# Altium PCB PCB2.PcbDoc (part 2 of 3) (continued)
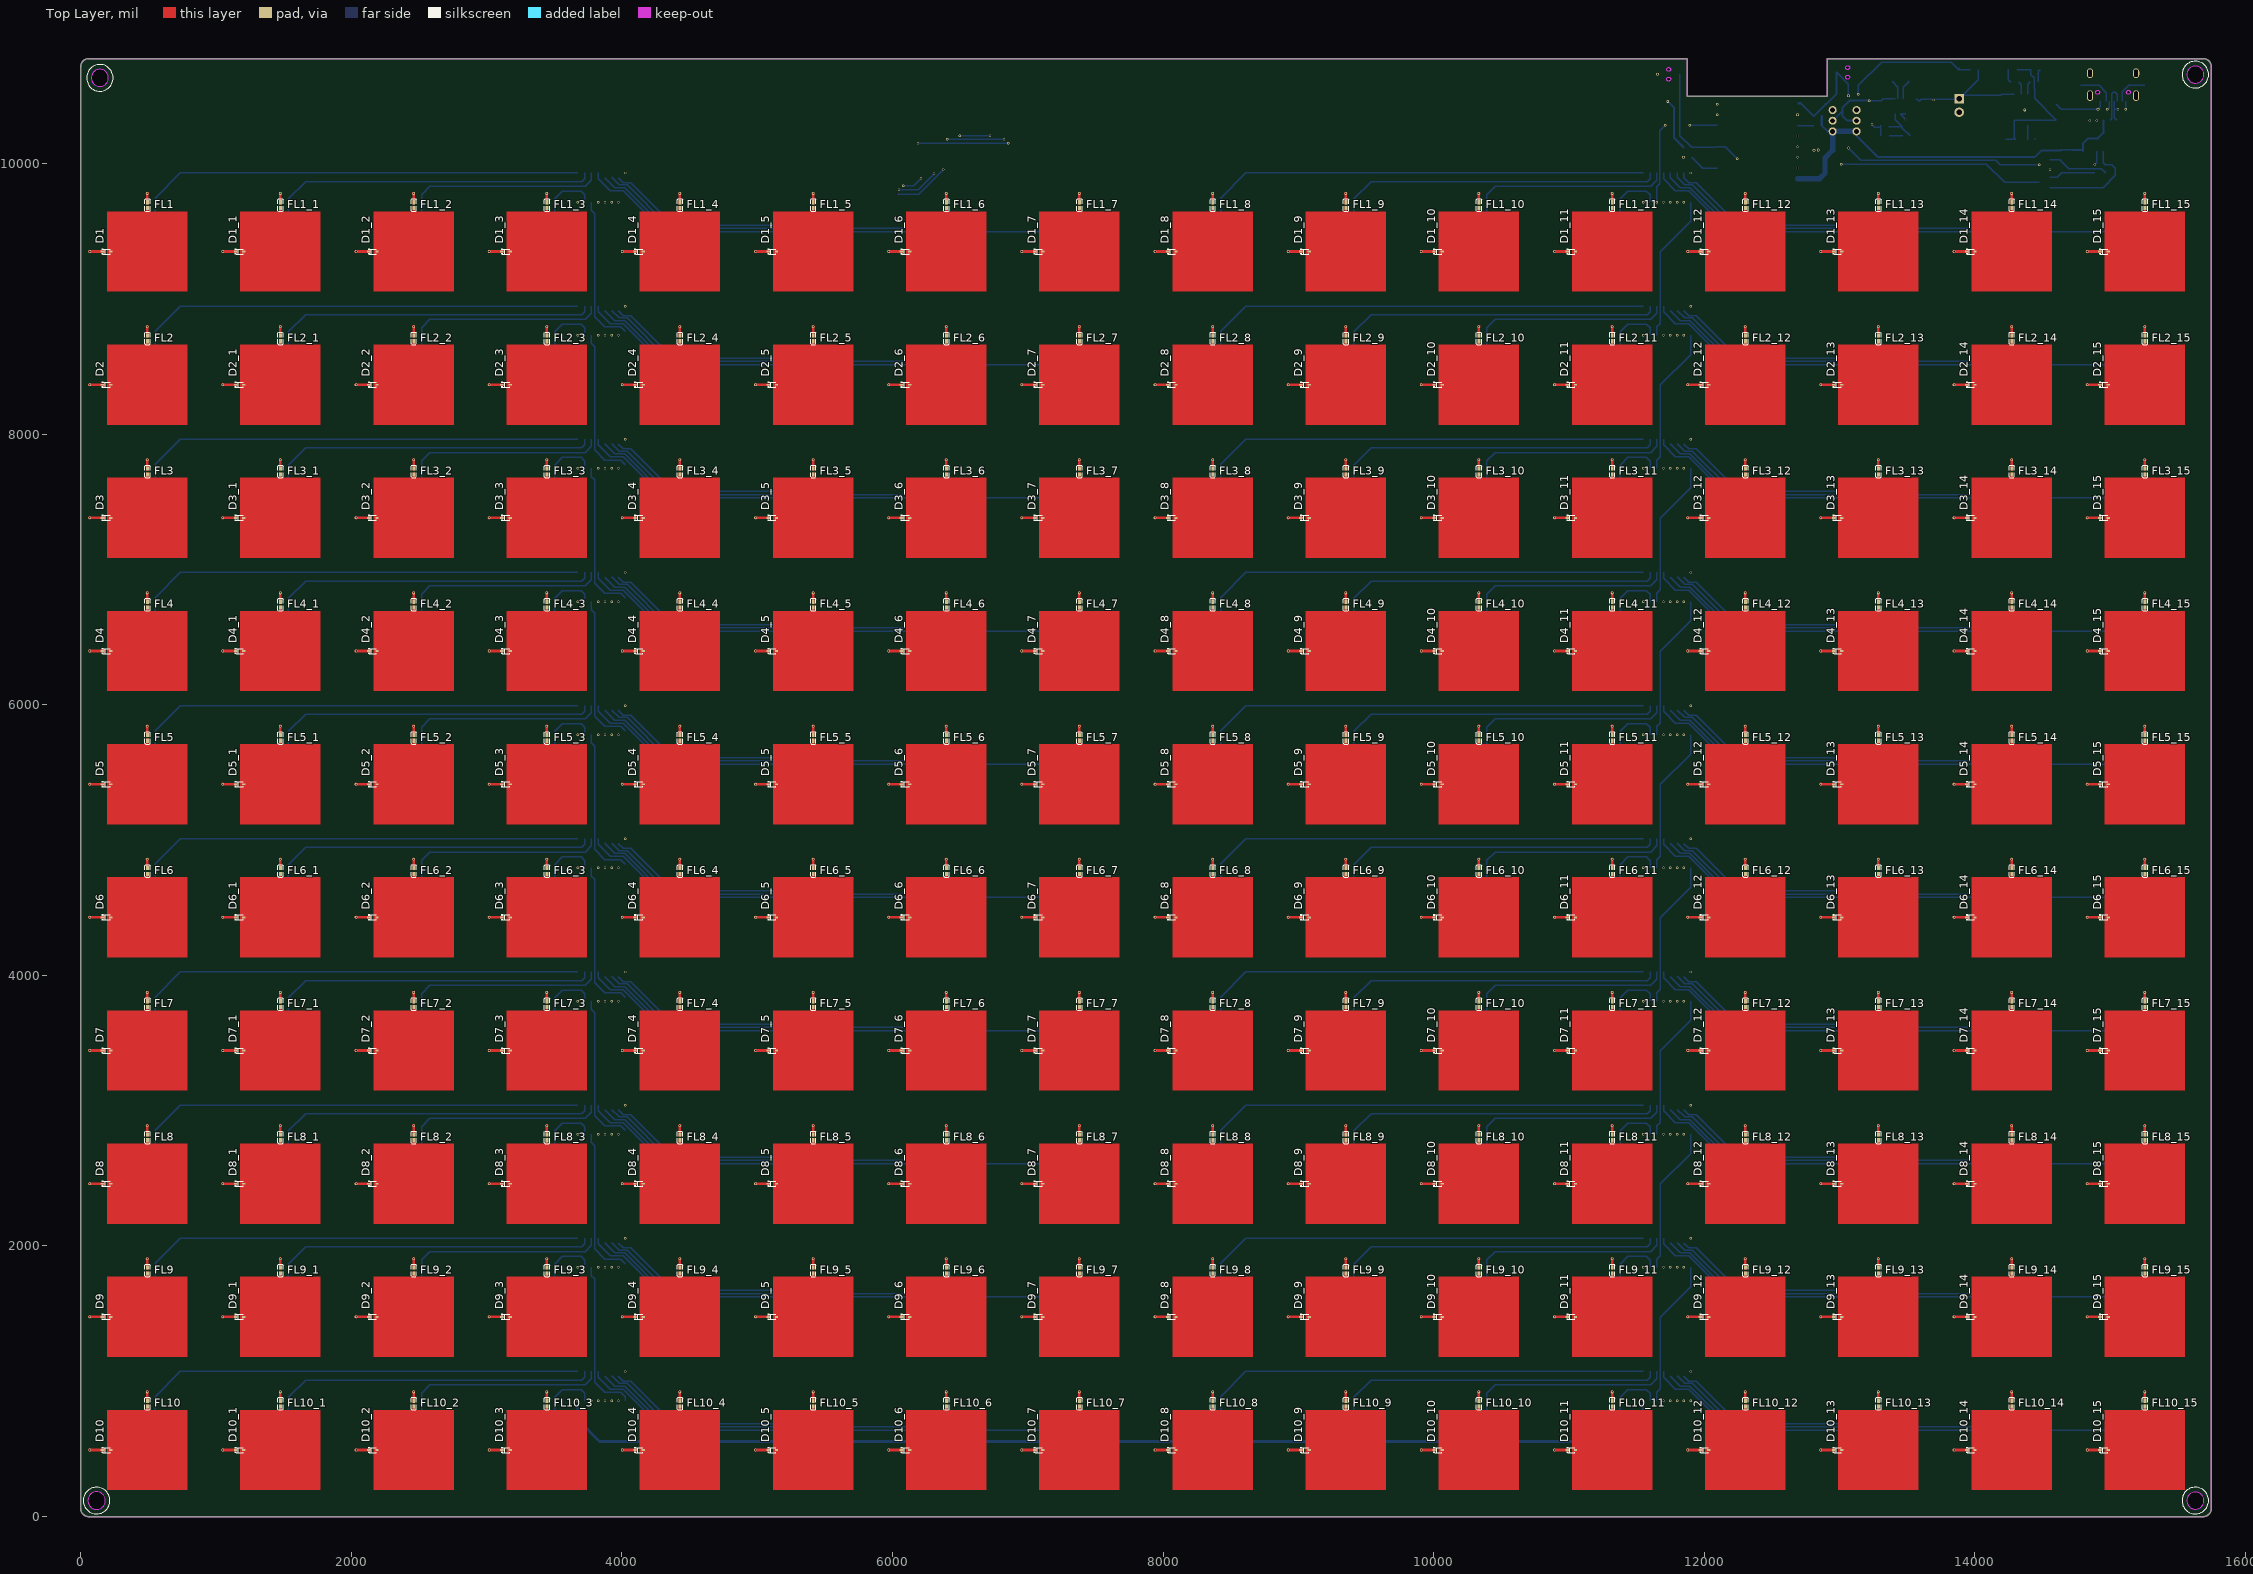
[diagram p0: Top Layer view]
## Nets (pads, with @x,y where several pads share a name; then routed paths per layer and width w, separated by ;. In a path a pad name is that pad's centre, name@x,y a point inside that pad or via, vN(x,y) a via of type N, cw(c..) or ccw(c..) an arc to the next point about the centre after c; other vN are vias at no path point) (continued)
NewNet41: FL2_13.1 L2_13.2 | length 64.2
  Bottom Layer w10: L2_13.2@13287.24,8729.92 v1(13287.24,8794.12)
NewNet42: BR_3_1.1 L2_13.1 | length 70.3
  Bottom Layer w10: BR_3_1.1@13288.16,8615.75 L2_13.1@13288.12,8686.13
NewNet43: FL3_13.1 L3_13.2 | length 64.2
  Bottom Layer w10: L3_13.2@13287.24,7745.67 v1(13287.24,7809.87)
NewNet44: BR_3_2.1 L3_13.1 | length 70.3
  Bottom Layer w10: BR_3_2.1@13288.16,7631.5 L3_13.1@13288.16,7701.84
NewNet45: FL4_13.1 L4_13.2 | length 64.2
  Bottom Layer w10: L4_13.2@13287.24,6761.42 v1(13287.24,6825.61)
NewNet46: BR_3_3.1 L4_13.1 | length 70.3
  Bottom Layer w10: BR_3_3.1@13288.16,6647.24 L4_13.1@13288.12,6717.63
NewNet47: FL5_13.1 L5_13.2 | length 64.2
  Bottom Layer w10: L5_13.2@13287.24,5777.17 v1(13287.24,5841.36)
NewNet48: BR_3_4.1 L5_13.1 | length 70.3
  Bottom Layer w10: BR_3_4.1@13288.16,5662.99 L5_13.1@13288.16,5733.34
NewNet49: FL6_13.1 L6_13.2 | length 64.2
  Bottom Layer w10: L6_13.2@13287.24,4792.92 v1(13287.24,4857.11)
NewNet50: BR_3_5.1 L6_13.1 | length 70.3
  Bottom Layer w10: BR_3_5.1@13288.16,4678.74 L6_13.1@13288.12,4749.12
NewNet51: FL7_13.1 L7_13.2 | length 64.2
  Bottom Layer w10: L7_13.2@13287.24,3808.66 v1(13287.24,3872.86)
NewNet52: BR_3_6.1 L7_13.1 | length 70.3
  Bottom Layer w10: BR_3_6.1@13288.16,3694.49 L7_13.1@13288.16,3764.83
NewNet53: FL8_13.1 L8_13.2 | length 64.2
  Bottom Layer w10: L8_13.2@13287.24,2824.41 v1(13287.24,2888.61)
NewNet54: BR_3_7.1 L8_13.1 | length 70.3
  Bottom Layer w10: BR_3_7.1@13288.16,2710.24 L8_13.1@13288.12,2780.62
NewNet55: FL9_13.1 L9_13.2 | length 64.2
  Bottom Layer w10: L9_13.2@13287.24,1840.16 v1(13287.24,1904.35)
NewNet56: BR_3_8.1 L9_13.1 | length 70.3
  Bottom Layer w10: BR_3_8.1@13288.16,1725.98 L9_13.1@13288.16,1796.33
NewNet57: FL10_13.1 L10_13.2 | length 64.2
  Bottom Layer w10: L10_13.2@13287.24,855.91 v1(13287.24,920.1)
NewNet58: BR_3_9.1 L10_13.1 | length 70.3
  Bottom Layer w10: BR_3_9.1@13288.16,741.73 L10_13.1@13288.12,812.12
NewNet59: FL1_13.1 L1_13.2 | length 64.2
  Bottom Layer w10: L1_13.2@13287.24,9714.18 v1(13287.24,9778.37)
NewNet60: BR_3.1 L1_13.1 | length 70.3
  Bottom Layer w10: BR_3.1@13288.16,9600 L1_13.1@13288.16,9670.35
NewNet61: FL2_12.1 L2_12.2 | length 64.2
  Bottom Layer w10: L2_12.2@12302.99,8729.92 v1(12302.99,8794.12)
NewNet62: BR_4_1.1 L2_12.1 | length 70.3
  Bottom Layer w10: BR_4_1.1@12303.9,8615.75 L2_12.1@12303.87,8686.13
NewNet63: FL3_12.1 L3_12.2 | length 64.2
  Bottom Layer w10: L3_12.2@12302.99,7745.67 v1(12302.99,7809.87)
NewNet64: BR_4_2.1 L3_12.1 | length 70.3
  Bottom Layer w10: BR_4_2.1@12303.9,7631.5 L3_12.1@12303.9,7701.84
NewNet65: FL4_12.1 L4_12.2 | length 64.2
  Bottom Layer w10: L4_12.2@12302.99,6761.42 v1(12302.99,6825.61)
NewNet66: BR_4_3.1 L4_12.1 | length 70.3
  Bottom Layer w10: BR_4_3.1@12303.9,6647.24 L4_12.1@12303.87,6717.63
NewNet67: FL5_12.1 L5_12.2 | length 64.2
  Bottom Layer w10: L5_12.2@12302.99,5777.17 v1(12302.99,5841.36)
NewNet68: BR_4_4.1 L5_12.1 | length 70.3
  Bottom Layer w10: BR_4_4.1@12303.9,5662.99 L5_12.1@12303.9,5733.34
NewNet69: FL6_12.1 L6_12.2 | length 64.2
  Bottom Layer w10: L6_12.2@12302.99,4792.92 v1(12302.99,4857.11)
NewNet70: BR_4_5.1 L6_12.1 | length 70.3
  Bottom Layer w10: BR_4_5.1@12303.9,4678.74 L6_12.1@12303.87,4749.12
NewNet71: FL7_12.1 L7_12.2 | length 64.2
  Bottom Layer w10: L7_12.2@12302.99,3808.66 v1(12302.99,3872.86)
NewNet72: BR_4_6.1 L7_12.1 | length 70.3
  Bottom Layer w10: BR_4_6.1@12303.9,3694.49 L7_12.1@12303.9,3764.83
NewNet73: FL8_12.1 L8_12.2 | length 64.2
  Bottom Layer w10: L8_12.2@12302.99,2824.41 v1(12302.99,2888.61)
NewNet74: BR_4_7.1 L8_12.1 | length 70.3
  Bottom Layer w10: BR_4_7.1@12303.9,2710.24 L8_12.1@12303.87,2780.62
NewNet75: FL9_12.1 L9_12.2 | length 64.2
  Bottom Layer w10: L9_12.2@12302.99,1840.16 v1(12302.99,1904.35)
NewNet76: BR_4_8.1 L9_12.1 | length 70.3
  Bottom Layer w10: BR_4_8.1@12303.9,1725.98 L9_12.1@12303.9,1796.33
NewNet77: FL10_12.1 L10_12.2 | length 64.2
  Bottom Layer w10: L10_12.2@12302.99,855.91 v1(12302.99,920.1)
NewNet78: BR_4_9.1 L10_12.1 | length 70.3
  Bottom Layer w10: BR_4_9.1@12303.9,741.73 L10_12.1@12303.87,812.12
NewNet79: FL1_12.1 L1_12.2 | length 64.2
  Bottom Layer w10: L1_12.2@12302.99,9714.18 v1(12302.99,9778.37)
NewNet80: BR_4.1 L1_12.1 | length 70.3
  Bottom Layer w10: BR_4.1@12303.9,9600 L1_12.1@12303.9,9670.35
NewNet81: FL2_11.1 L2_11.2 | length 64.2
  Bottom Layer w10: L2_11.2@11318.74,8729.92 v1(11318.74,8794.12)
NewNet82: BR_5_1.1 L2_11.1 | length 70.3
  Bottom Layer w10: BR_5_1.1@11319.65,8615.75 L2_11.1@11319.61,8686.13
NewNet83: FL3_11.1 L3_11.2 | length 64.2
  Bottom Layer w10: L3_11.2@11318.74,7745.67 v1(11318.74,7809.87)
NewNet84: BR_5_2.1 L3_11.1 | length 70.3
  Bottom Layer w10: BR_5_2.1@11319.65,7631.5 L3_11.1@11319.65,7701.84
NewNet85: FL4_11.1 L4_11.2 | length 64.2
  Bottom Layer w10: L4_11.2@11318.74,6761.42 v1(11318.74,6825.61)
NewNet86: BR_5_3.1 L4_11.1 | length 70.3
  Bottom Layer w10: BR_5_3.1@11319.65,6647.24 L4_11.1@11319.61,6717.63
NewNet87: FL5_11.1 L5_11.2 | length 64.2
  Bottom Layer w10: L5_11.2@11318.74,5777.17 v1(11318.74,5841.36)
NewNet88: BR_5_4.1 L5_11.1 | length 70.3
  Bottom Layer w10: BR_5_4.1@11319.65,5662.99 L5_11.1@11319.65,5733.34
NewNet89: FL6_11.1 L6_11.2 | length 64.2
  Bottom Layer w10: L6_11.2@11318.74,4792.92 v1(11318.74,4857.11)
NewNet90: BR_5_5.1 L6_11.1 | length 70.3
  Bottom Layer w10: BR_5_5.1@11319.65,4678.74 L6_11.1@11319.61,4749.12
NewNet91: FL7_11.1 L7_11.2 | length 64.2
  Bottom Layer w10: L7_11.2@11318.74,3808.66 v1(11318.74,3872.86)
NewNet92: BR_5_6.1 L7_11.1 | length 70.3
  Bottom Layer w10: BR_5_6.1@11319.65,3694.49 L7_11.1@11319.65,3764.83
NewNet93: FL8_11.1 L8_11.2 | length 64.2
  Bottom Layer w10: L8_11.2@11318.74,2824.41 v1(11318.74,2888.61)
NewNet94: BR_5_7.1 L8_11.1 | length 70.3
  Bottom Layer w10: BR_5_7.1@11319.65,2710.24 L8_11.1@11319.61,2780.62
NewNet95: FL9_11.1 L9_11.2 | length 64.2
  Bottom Layer w10: L9_11.2@11318.74,1840.16 v1(11318.74,1904.35)
NewNet96: BR_5_8.1 L9_11.1 | length 70.3
  Bottom Layer w10: BR_5_8.1@11319.65,1725.98 L9_11.1@11319.65,1796.33
NewNet97: FL10_11.1 L10_11.2 | length 64.2
  Bottom Layer w10: L10_11.2@11318.74,855.91 v1(11318.74,920.1)
NewNet98: BR_5_9.1 L10_11.1 | length 70.3
  Bottom Layer w10: BR_5_9.1@11319.65,741.73 L10_11.1@11319.61,812.12
NewNet99: FL1_11.1 L1_11.2 | length 64.2
  Bottom Layer w10: L1_11.2@11318.74,9714.18 v1(11318.74,9778.37)
NewNet100: BR_5.1 L1_11.1 | length 70.3
  Bottom Layer w10: BR_5.1@11319.65,9600 L1_11.1@11319.65,9670.35
NewNet101: FL2_10.1 L2_10.2 | length 64.2
  Bottom Layer w10: L2_10.2@10334.49,8729.92 v1(10334.49,8794.12)
NewNet102: BR_6_1.1 L2_10.1 | length 70.3
  Bottom Layer w10: BR_6_1.1@10335.4,8615.75 L2_10.1@10335.36,8686.13
NewNet103: FL3_10.1 L3_10.2 | length 64.2
  Bottom Layer w10: L3_10.2@10334.49,7745.67 v1(10334.49,7809.87)
NewNet104: BR_6_2.1 L3_10.1 | length 70.3
  Bottom Layer w10: BR_6_2.1@10335.4,7631.5 L3_10.1@10335.4,7701.84
NewNet105: FL4_10.1 L4_10.2 | length 64.2
  Bottom Layer w10: L4_10.2@10334.49,6761.42 v1(10334.49,6825.61)
NewNet106: BR_6_3.1 L4_10.1 | length 70.3
  Bottom Layer w10: BR_6_3.1@10335.4,6647.24 L4_10.1@10335.36,6717.63
NewNet107: FL5_10.1 L5_10.2 | length 64.2
  Bottom Layer w10: L5_10.2@10334.49,5777.17 v1(10334.49,5841.36)
NewNet108: BR_6_4.1 L5_10.1 | length 70.3
  Bottom Layer w10: BR_6_4.1@10335.4,5662.99 L5_10.1@10335.4,5733.34
NewNet109: FL6_10.1 L6_10.2 | length 64.2
  Bottom Layer w10: L6_10.2@10334.49,4792.92 v1(10334.49,4857.11)
NewNet110: BR_6_5.1 L6_10.1 | length 70.3
  Bottom Layer w10: BR_6_5.1@10335.4,4678.74 L6_10.1@10335.36,4749.12
NewNet111: FL7_10.1 L7_10.2 | length 64.2
  Bottom Layer w10: L7_10.2@10334.49,3808.66 v1(10334.49,3872.86)
NewNet112: BR_6_6.1 L7_10.1 | length 70.3
  Bottom Layer w10: BR_6_6.1@10335.4,3694.49 L7_10.1@10335.4,3764.83
NewNet113: FL8_10.1 L8_10.2 | length 64.2
  Bottom Layer w10: L8_10.2@10334.49,2824.41 v1(10334.49,2888.61)
NewNet114: BR_6_7.1 L8_10.1 | length 70.3
  Bottom Layer w10: BR_6_7.1@10335.4,2710.24 L8_10.1@10335.36,2780.62
NewNet115: FL9_10.1 L9_10.2 | length 64.2
  Bottom Layer w10: L9_10.2@10334.49,1840.16 v1(10334.49,1904.35)
NewNet116: BR_6_8.1 L9_10.1 | length 70.3
  Bottom Layer w10: BR_6_8.1@10335.4,1725.98 L9_10.1@10335.4,1796.33
NewNet117: FL10_10.1 L10_10.2 | length 64.2
  Bottom Layer w10: L10_10.2@10334.49,855.91 v1(10334.49,920.1)
NewNet118: BR_6_9.1 L10_10.1 | length 70.3
  Bottom Layer w10: BR_6_9.1@10335.4,741.73 L10_10.1@10335.36,812.12
NewNet119: FL1_10.1 L1_10.2 | length 64.2
  Bottom Layer w10: L1_10.2@10334.49,9714.18 v1(10334.49,9778.37)
NewNet120: BR_6.1 L1_10.1 | length 70.3
  Bottom Layer w10: BR_6.1@10335.4,9600 L1_10.1@10335.4,9670.35
NewNet121: FL2_9.1 L2_9.2 | length 64.2
  Bottom Layer w10: L2_9.2@9350.24,8729.92 v1(9350.24,8794.12)
NewNet122: BR_7_1.1 L2_9.1 | length 70.3
  Bottom Layer w10: BR_7_1.1@9351.15,8615.75 L2_9.1@9351.11,8686.13
NewNet123: FL3_9.1 L3_9.2 | length 64.2
  Bottom Layer w10: L3_9.2@9350.24,7745.67 v1(9350.24,7809.87)
NewNet124: BR_7_2.1 L3_9.1 | length 70.3
  Bottom Layer w10: BR_7_2.1@9351.15,7631.5 L3_9.1@9351.15,7701.84
NewNet125: FL4_9.1 L4_9.2 | length 64.2
  Bottom Layer w10: L4_9.2@9350.24,6761.42 v1(9350.24,6825.61)
NewNet126: BR_7_3.1 L4_9.1 | length 70.3
  Bottom Layer w10: BR_7_3.1@9351.15,6647.24 L4_9.1@9351.11,6717.63
NewNet127: FL5_9.1 L5_9.2 | length 64.2
  Bottom Layer w10: L5_9.2@9350.24,5777.17 v1(9350.24,5841.36)
NewNet128: BR_7_4.1 L5_9.1 | length 70.3
  Bottom Layer w10: BR_7_4.1@9351.15,5662.99 L5_9.1@9351.15,5733.34
NewNet129: FL6_9.1 L6_9.2 | length 64.2
  Bottom Layer w10: L6_9.2@9350.24,4792.92 v1(9350.24,4857.11)
NewNet130: BR_7_5.1 L6_9.1 | length 70.3
  Bottom Layer w10: BR_7_5.1@9351.15,4678.74 L6_9.1@9351.11,4749.12
NewNet131: FL7_9.1 L7_9.2 | length 64.2
  Bottom Layer w10: L7_9.2@9350.24,3808.66 v1(9350.24,3872.86)
NewNet132: BR_7_6.1 L7_9.1 | length 70.3
  Bottom Layer w10: BR_7_6.1@9351.15,3694.49 L7_9.1@9351.15,3764.83
NewNet133: FL8_9.1 L8_9.2 | length 64.2
  Bottom Layer w10: L8_9.2@9350.24,2824.41 v1(9350.24,2888.61)
NewNet134: BR_7_7.1 L8_9.1 | length 70.3
  Bottom Layer w10: BR_7_7.1@9351.15,2710.24 L8_9.1@9351.11,2780.62
NewNet135: FL9_9.1 L9_9.2 | length 64.2
  Bottom Layer w10: L9_9.2@9350.24,1840.16 v1(9350.24,1904.35)
NewNet136: BR_7_8.1 L9_9.1 | length 70.3
  Bottom Layer w10: BR_7_8.1@9351.15,1725.98 L9_9.1@9351.15,1796.33
NewNet137: FL10_9.1 L10_9.2 | length 64.2
  Bottom Layer w10: L10_9.2@9350.24,855.91 v1(9350.24,920.1)
NewNet138: BR_7_9.1 L10_9.1 | length 70.3
  Bottom Layer w10: BR_7_9.1@9351.15,741.73 L10_9.1@9351.11,812.12
NewNet139: FL1_9.1 L1_9.2 | length 64.2
  Bottom Layer w10: L1_9.2@9350.24,9714.18 v1(9350.24,9778.37)
NewNet140: BR_7.1 L1_9.1 | length 70.3
  Bottom Layer w10: BR_7.1@9351.15,9600 L1_9.1@9351.15,9670.35
NewNet141: FL2_8.1 L2_8.2 | length 64.2
  Bottom Layer w10: L2_8.2@8365.98,8729.92 v1(8365.98,8794.12)
NewNet142: BR_9.1 L2_8.1 | length 70.3
  Bottom Layer w10: BR_9.1@8366.9,8615.75 L2_8.1@8366.86,8686.13
NewNet143: FL3_8.1 L3_8.2 | length 64.2
  Bottom Layer w10: L3_8.2@8365.98,7745.67 v1(8365.98,7809.87)
NewNet144: BR_10.1 L3_8.1 | length 70.3
  Bottom Layer w10: BR_10.1@8366.9,7631.5 L3_8.1@8366.9,7701.84
NewNet145: FL4_8.1 L4_8.2 | length 64.2
  Bottom Layer w10: L4_8.2@8365.98,6761.42 v1(8365.98,6825.61)
NewNet146: BR_11.1 L4_8.1 | length 70.3
  Bottom Layer w10: BR_11.1@8366.9,6647.24 L4_8.1@8366.86,6717.63
NewNet147: FL5_8.1 L5_8.2 | length 64.2
  Bottom Layer w10: L5_8.2@8365.98,5777.17 v1(8365.98,5841.36)
NewNet148: BR_12.1 L5_8.1 | length 70.3
  Bottom Layer w10: BR_12.1@8366.9,5662.99 L5_8.1@8366.9,5733.34
NewNet149: FL6_8.1 L6_8.2 | length 64.2
  Bottom Layer w10: L6_8.2@8365.98,4792.92 v1(8365.98,4857.11)
NewNet150: BR_13.1 L6_8.1 | length 70.3
  Bottom Layer w10: BR_13.1@8366.9,4678.74 L6_8.1@8366.86,4749.12
NewNet151: FL7_8.1 L7_8.2 | length 64.2
  Bottom Layer w10: L7_8.2@8365.98,3808.66 v1(8365.98,3872.86)
NewNet152: BR_14.1 L7_8.1 | length 70.3
  Bottom Layer w10: BR_14.1@8366.9,3694.49 L7_8.1@8366.9,3764.83
NewNet153: FL8_8.1 L8_8.2 | length 64.2
  Bottom Layer w10: L8_8.2@8365.98,2824.41 v1(8365.98,2888.61)
NewNet154: BR_15.1 L8_8.1 | length 70.3
  Bottom Layer w10: BR_15.1@8366.9,2710.24 L8_8.1@8366.86,2780.62
NewNet155: FL9_8.1 L9_8.2 | length 64.2
  Bottom Layer w10: L9_8.2@8365.98,1840.16 v1(8365.98,1904.35)
NewNet156: BR_16.1 L9_8.1 | length 70.3
  Bottom Layer w10: BR_16.1@8366.9,1725.98 L9_8.1@8366.9,1796.33
NewNet157: FL10_8.1 L10_8.2 | length 64.2
  Bottom Layer w10: L10_8.2@8365.98,855.91 v1(8365.98,920.1)
NewNet158: BR_17.1 L10_8.1 | length 70.3
  Bottom Layer w10: BR_17.1@8366.9,741.73 L10_8.1@8366.86,812.12
NewNet159: FL1_8.1 L1_8.2 | length 64.2
  Bottom Layer w10: L1_8.2@8365.98,9714.18 v1(8365.98,9778.37)
NewNet160: BR_8.1 L1_8.1 | length 70.3
  Bottom Layer w10: BR_8.1@8366.9,9600 L1_8.1@8366.9,9670.35
NewNet161: FL2_7.1 L2_7.2 | length 64.2
  Bottom Layer w10: L2_7.2@7381.73,8729.92 v1(7381.73,8794.12)
NewNet162: BR_1_11.1 L2_7.1 | length 70.3
  Bottom Layer w10: BR_1_11.1@7382.64,8615.75 L2_7.1@7382.64,8686.09
NewNet163: FL3_7.1 L3_7.2 | length 64.2
  Bottom Layer w10: L3_7.2@7381.73,7745.67 v1(7381.73,7809.87)
NewNet164: BR_1_12.1 L3_7.1 | length 70.3
  Bottom Layer w10: BR_1_12.1@7382.64,7631.5 L3_7.1@7382.64,7701.84
NewNet165: FL4_7.1 L4_7.2 | length 64.2
  Bottom Layer w10: L4_7.2@7381.73,6761.42 v1(7381.73,6825.61)
NewNet166: BR_1_13.1 L4_7.1 | length 70.3
  Bottom Layer w10: BR_1_13.1@7382.64,6647.24 L4_7.1@7382.64,6717.59
NewNet167: FL5_7.1 L5_7.2 | length 64.2
  Bottom Layer w10: L5_7.2@7381.73,5777.17 v1(7381.73,5841.36)
NewNet168: BR_1_14.1 L5_7.1 | length 70.3
  Bottom Layer w10: BR_1_14.1@7382.64,5662.99 L5_7.1@7382.64,5733.34
NewNet169: FL6_7.1 L6_7.2 | length 64.2
  Bottom Layer w10: L6_7.2@7381.73,4792.92 v1(7381.73,4857.11)
NewNet170: BR_1_15.1 L6_7.1 | length 70.3
  Bottom Layer w10: BR_1_15.1@7382.64,4678.74 L6_7.1@7382.64,4749.09
NewNet171: FL7_7.1 L7_7.2 | length 64.2
  Bottom Layer w10: L7_7.2@7381.73,3808.66 v1(7381.73,3872.86)
NewNet172: BR_1_16.1 L7_7.1 | length 70.3
  Bottom Layer w10: BR_1_16.1@7382.64,3694.49 L7_7.1@7382.64,3764.83
NewNet173: FL8_7.1 L8_7.2 | length 64.2
  Bottom Layer w10: L8_7.2@7381.73,2824.41 v1(7381.73,2888.61)
NewNet174: BR_1_17.1 L8_7.1 | length 70.3
  Bottom Layer w10: BR_1_17.1@7382.64,2710.24 L8_7.1@7382.64,2780.58
NewNet175: FL9_7.1 L9_7.2 | length 64.2
  Bottom Layer w10: L9_7.2@7381.73,1840.16 v1(7381.73,1904.35)
NewNet176: BR_1_18.1 L9_7.1 | length 70.3
  Bottom Layer w10: BR_1_18.1@7382.64,1725.98 L9_7.1@7382.64,1796.33
NewNet177: FL10_7.1 L10_7.2 | length 64.2
  Bottom Layer w10: L10_7.2@7381.73,855.91 v1(7381.73,920.1)
NewNet178: BR_1_19.1 L10_7.1 | length 70.3
  Bottom Layer w10: BR_1_19.1@7382.64,741.73 L10_7.1@7382.64,812.08
NewNet179: FL1_7.1 L1_7.2 | length 64.2
  Bottom Layer w10: L1_7.2@7381.73,9714.18 v1(7381.73,9778.37)
NewNet180: BR_1_10.1 L1_7.1 | length 70.3
  Bottom Layer w10: BR_1_10.1@7382.64,9600 L1_7.1@7382.64,9670.35
NewNet181: FL2_6.1 L2_6.2 | length 64.2
  Bottom Layer w10: L2_6.2@6397.48,8729.92 v1(6397.48,8794.12)
NewNet182: BR_2_11.1 L2_6.1 | length 70.3
  Bottom Layer w10: BR_2_11.1@6398.39,8615.75 L2_6.1@6398.35,8686.13
NewNet183: FL3_6.1 L3_6.2 | length 64.2
  Bottom Layer w10: L3_6.2@6397.48,7745.67 v1(6397.48,7809.87)
NewNet184: BR_2_12.1 L3_6.1 | length 70.3
  Bottom Layer w10: BR_2_12.1@6398.39,7631.5 L3_6.1@6398.39,7701.84
NewNet185: FL4_6.1 L4_6.2 | length 64.2
  Bottom Layer w10: L4_6.2@6397.48,6761.42 v1(6397.48,6825.61)
NewNet186: BR_2_13.1 L4_6.1 | length 70.3
  Bottom Layer w10: BR_2_13.1@6398.39,6647.24 L4_6.1@6398.35,6717.63
NewNet187: FL5_6.1 L5_6.2 | length 64.2
  Bottom Layer w10: L5_6.2@6397.48,5777.17 v1(6397.48,5841.36)
NewNet188: BR_2_14.1 L5_6.1 | length 70.3
  Bottom Layer w10: BR_2_14.1@6398.39,5662.99 L5_6.1@6398.39,5733.34
NewNet189: FL6_6.1 L6_6.2 | length 64.2
  Bottom Layer w10: L6_6.2@6397.48,4792.92 v1(6397.48,4857.11)
NewNet190: BR_2_15.1 L6_6.1 | length 70.3
  Bottom Layer w10: BR_2_15.1@6398.39,4678.74 L6_6.1@6398.35,4749.12
NewNet191: FL7_6.1 L7_6.2 | length 64.2
  Bottom Layer w10: L7_6.2@6397.48,3808.66 v1(6397.48,3872.86)
NewNet192: BR_2_16.1 L7_6.1 | length 70.3
  Bottom Layer w10: BR_2_16.1@6398.39,3694.49 L7_6.1@6398.39,3764.83
NewNet193: FL8_6.1 L8_6.2 | length 64.2
  Bottom Layer w10: L8_6.2@6397.48,2824.41 v1(6397.48,2888.61)
NewNet194: BR_2_17.1 L8_6.1 | length 70.3
  Bottom Layer w10: BR_2_17.1@6398.39,2710.24 L8_6.1@6398.35,2780.62
NewNet195: FL9_6.1 L9_6.2 | length 64.2
  Bottom Layer w10: L9_6.2@6397.48,1840.16 v1(6397.48,1904.35)
NewNet196: BR_2_18.1 L9_6.1 | length 70.3
  Bottom Layer w10: BR_2_18.1@6398.39,1725.98 L9_6.1@6398.39,1796.33
NewNet197: FL10_6.1 L10_6.2 | length 64.2
  Bottom Layer w10: L10_6.2@6397.48,855.91 v1(6397.48,920.1)
NewNet198: BR_2_19.1 L10_6.1 | length 70.3
  Bottom Layer w10: BR_2_19.1@6398.39,741.73 L10_6.1@6398.35,812.12
NewNet199: FL1_6.1 L1_6.2 | length 64.2
  Bottom Layer w10: L1_6.2@6397.48,9714.18 v1(6397.48,9778.37)
NewNet200: BR_2_10.1 L1_6.1 | length 70.3
  Bottom Layer w10: BR_2_10.1@6398.39,9600 L1_6.1@6398.39,9670.35
NewNet201: FL2_5.1 L2_5.2 | length 64.2
  Bottom Layer w10: L2_5.2@5413.23,8729.92 v1(5413.23,8794.12)
NewNet202: BR_3_11.1 L2_5.1 | length 70.3
  Bottom Layer w10: BR_3_11.1@5414.14,8615.75 L2_5.1@5414.14,8686.09
NewNet203: FL3_5.1 L3_5.2 | length 64.2
  Bottom Layer w10: L3_5.2@5413.23,7745.67 v1(5413.23,7809.87)
NewNet204: BR_3_12.1 L3_5.1 | length 70.3
  Bottom Layer w10: BR_3_12.1@5414.14,7631.5 L3_5.1@5414.14,7701.84
NewNet205: FL4_5.1 L4_5.2 | length 64.2
  Bottom Layer w10: L4_5.2@5413.23,6761.42 v1(5413.23,6825.61)
NewNet206: BR_3_13.1 L4_5.1 | length 70.3
  Bottom Layer w10: BR_3_13.1@5414.14,6647.24 L4_5.1@5414.14,6717.59
NewNet207: FL5_5.1 L5_5.2 | length 64.2
  Bottom Layer w10: L5_5.2@5413.23,5777.17 v1(5413.23,5841.36)
NewNet208: BR_3_14.1 L5_5.1 | length 70.3
  Bottom Layer w10: BR_3_14.1@5414.14,5662.99 L5_5.1@5414.14,5733.34
NewNet209: FL6_5.1 L6_5.2 | length 64.2
  Bottom Layer w10: L6_5.2@5413.23,4792.92 v1(5413.23,4857.11)
NewNet210: BR_3_15.1 L6_5.1 | length 70.3
  Bottom Layer w10: BR_3_15.1@5414.14,4678.74 L6_5.1@5414.14,4749.09
NewNet211: FL7_5.1 L7_5.2 | length 64.2
  Bottom Layer w10: L7_5.2@5413.23,3808.66 v1(5413.23,3872.86)
NewNet212: BR_3_16.1 L7_5.1 | length 70.3
  Bottom Layer w10: BR_3_16.1@5414.14,3694.49 L7_5.1@5414.14,3764.83
NewNet213: FL8_5.1 L8_5.2 | length 64.2
  Bottom Layer w10: L8_5.2@5413.23,2824.41 v1(5413.23,2888.61)
NewNet214: BR_3_17.1 L8_5.1 | length 70.3
  Bottom Layer w10: BR_3_17.1@5414.14,2710.24 L8_5.1@5414.14,2780.58
NewNet215: FL9_5.1 L9_5.2 | length 64.2
  Bottom Layer w10: L9_5.2@5413.23,1840.16 v1(5413.23,1904.35)
NewNet216: BR_3_18.1 L9_5.1 | length 70.3
  Bottom Layer w10: BR_3_18.1@5414.14,1725.98 L9_5.1@5414.14,1796.33
NewNet217: FL10_5.1 L10_5.2 | length 64.2
  Bottom Layer w10: L10_5.2@5413.23,855.91 v1(5413.23,920.1)
NewNet218: BR_3_19.1 L10_5.1 | length 70.3
  Bottom Layer w10: BR_3_19.1@5414.14,741.73 L10_5.1@5414.14,812.08
NewNet219: FL1_5.1 L1_5.2 | length 64.2
  Bottom Layer w10: L1_5.2@5413.23,9714.18 v1(5413.23,9778.37)
NewNet220: BR_3_10.1 L1_5.1 | length 70.3
  Bottom Layer w10: BR_3_10.1@5414.14,9600 L1_5.1@5414.14,9670.35
NewNet221: FL2_4.1 L2_4.2 | length 64.2
  Bottom Layer w10: L2_4.2@4428.98,8729.92 v1(4428.98,8794.12)
NewNet222: BR_4_11.1 L2_4.1 | length 70.3
  Bottom Layer w10: BR_4_11.1@4429.89,8615.75 L2_4.1@4429.85,8686.13
NewNet223: FL3_4.1 L3_4.2 | length 64.2
  Bottom Layer w10: L3_4.2@4428.98,7745.67 v1(4428.98,7809.87)
NewNet224: BR_4_12.1 L3_4.1 | length 70.3
  Bottom Layer w10: BR_4_12.1@4429.89,7631.5 L3_4.1@4429.89,7701.84
NewNet225: FL4_4.1 L4_4.2 | length 64.2
  Bottom Layer w10: L4_4.2@4428.98,6761.42 v1(4428.98,6825.61)
NewNet226: BR_4_13.1 L4_4.1 | length 70.3
  Bottom Layer w10: BR_4_13.1@4429.89,6647.24 L4_4.1@4429.85,6717.63
NewNet227: FL5_4.1 L5_4.2 | length 64.2
  Bottom Layer w10: L5_4.2@4428.98,5777.17 v1(4428.98,5841.36)
NewNet228: BR_4_14.1 L5_4.1 | length 70.3
  Bottom Layer w10: BR_4_14.1@4429.89,5662.99 L5_4.1@4429.89,5733.34
NewNet229: FL6_4.1 L6_4.2 | length 64.2
  Bottom Layer w10: L6_4.2@4428.98,4792.92 v1(4428.98,4857.11)
NewNet230: BR_4_15.1 L6_4.1 | length 70.3
  Bottom Layer w10: BR_4_15.1@4429.89,4678.74 L6_4.1@4429.85,4749.12
NewNet231: FL7_4.1 L7_4.2 | length 64.2
  Bottom Layer w10: L7_4.2@4428.98,3808.66 v1(4428.98,3872.86)
NewNet232: BR_4_16.1 L7_4.1 | length 70.3
  Bottom Layer w10: BR_4_16.1@4429.89,3694.49 L7_4.1@4429.89,3764.83
NewNet233: FL8_4.1 L8_4.2 | length 64.2
  Bottom Layer w10: L8_4.2@4428.98,2824.41 v1(4428.98,2888.61)
NewNet234: BR_4_17.1 L8_4.1 | length 70.3
  Bottom Layer w10: BR_4_17.1@4429.89,2710.24 L8_4.1@4429.85,2780.62
NewNet235: FL9_4.1 L9_4.2 | length 64.2
  Bottom Layer w10: L9_4.2@4428.98,1840.16 v1(4428.98,1904.35)
NewNet236: BR_4_18.1 L9_4.1 | length 70.3
  Bottom Layer w10: BR_4_18.1@4429.89,1725.98 L9_4.1@4429.89,1796.33
NewNet237: FL10_4.1 L10_4.2 | length 64.2
  Bottom Layer w10: L10_4.2@4428.98,855.91 v1(4428.98,920.1)
NewNet238: BR_4_19.1 L10_4.1 | length 70.3
  Bottom Layer w10: BR_4_19.1@4429.89,741.73 L10_4.1@4429.85,812.12
NewNet239: FL1_4.1 L1_4.2 | length 64.2
  Bottom Layer w10: L1_4.2@4428.98,9714.18 v1(4428.98,9778.37)
NewNet240: BR_4_10.1 L1_4.1 | length 70.3
  Bottom Layer w10: BR_4_10.1@4429.89,9600 L1_4.1@4429.89,9670.35
NewNet241: FL2_3.1 L2_3.2 | length 64.2
  Bottom Layer w10: L2_3.2@3444.72,8729.92 v1(3444.72,8794.12)
NewNet242: BR_5_11.1 L2_3.1 | length 70.3
  Bottom Layer w10: BR_5_11.1@3445.64,8615.75 L2_3.1@3445.64,8686.09
NewNet243: FL3_3.1 L3_3.2 | length 64.2
  Bottom Layer w10: L3_3.2@3444.72,7745.67 v1(3444.72,7809.87)
NewNet244: BR_5_12.1 L3_3.1 | length 70.3
  Bottom Layer w10: BR_5_12.1@3445.64,7631.5 L3_3.1@3445.64,7701.84
NewNet245: FL4_3.1 L4_3.2 | length 64.2
  Bottom Layer w10: L4_3.2@3444.72,6761.42 v1(3444.72,6825.61)
NewNet246: BR_5_13.1 L4_3.1 | length 70.3
  Bottom Layer w10: BR_5_13.1@3445.64,6647.24 L4_3.1@3445.64,6717.59
NewNet247: FL5_3.1 L5_3.2 | length 64.2
  Bottom Layer w10: L5_3.2@3444.72,5777.17 v1(3444.72,5841.36)
NewNet248: BR_5_14.1 L5_3.1 | length 70.3
  Bottom Layer w10: BR_5_14.1@3445.64,5662.99 L5_3.1@3445.64,5733.34
NewNet249: FL6_3.1 L6_3.2 | length 64.2
  Bottom Layer w10: L6_3.2@3444.72,4792.92 v1(3444.72,4857.11)
NewNet250: BR_5_15.1 L6_3.1 | length 70.3
  Bottom Layer w10: BR_5_15.1@3445.64,4678.74 L6_3.1@3445.64,4749.09
NewNet251: FL7_3.1 L7_3.2 | length 64.2
  Bottom Layer w10: L7_3.2@3444.72,3808.66 v1(3444.72,3872.86)
NewNet252: BR_5_16.1 L7_3.1 | length 70.3
  Bottom Layer w10: BR_5_16.1@3445.64,3694.49 L7_3.1@3445.64,3764.83
NewNet253: FL8_3.1 L8_3.2 | length 64.2
  Bottom Layer w10: L8_3.2@3444.72,2824.41 v1(3444.72,2888.61)
NewNet254: BR_5_17.1 L8_3.1 | length 70.3
  Bottom Layer w10: BR_5_17.1@3445.64,2710.24 L8_3.1@3445.64,2780.58
NewNet255: FL9_3.1 L9_3.2 | length 64.2
  Bottom Layer w10: L9_3.2@3444.72,1840.16 v1(3444.72,1904.35)
NewNet256: BR_5_18.1 L9_3.1 | length 70.3
  Bottom Layer w10: BR_5_18.1@3445.64,1725.98 L9_3.1@3445.64,1796.33
NewNet257: FL10_3.1 L10_3.2 | length 64.2
  Bottom Layer w10: L10_3.2@3444.72,855.91 v1(3444.72,920.1)
NewNet258: BR_5_19.1 L10_3.1 | length 70.3
  Bottom Layer w10: BR_5_19.1@3445.64,741.73 L10_3.1@3445.64,812.08
NewNet259: FL1_3.1 L1_3.2 | length 64.2
  Bottom Layer w10: L1_3.2@3444.72,9714.18 v1(3444.72,9778.37)
NewNet260: BR_5_10.1 L1_3.1 | length 70.3
  Bottom Layer w10: BR_5_10.1@3445.64,9600 L1_3.1@3445.64,9670.35
NewNet261: FL2_2.1 L2_2.2 | length 64.2
  Bottom Layer w10: L2_2.2@2460.47,8729.92 v1(2460.47,8794.12)
NewNet262: BR_6_11.1 L2_2.1 | length 70.3
  Bottom Layer w10: BR_6_11.1@2461.38,8615.75 L2_2.1@2461.38,8686.09
NewNet263: FL3_2.1 L3_2.2 | length 64.2
  Bottom Layer w10: L3_2.2@2460.47,7745.67 v1(2460.47,7809.87)
NewNet264: BR_6_12.1 L3_2.1 | length 70.3
  Bottom Layer w10: BR_6_12.1@2461.38,7631.5 L3_2.1@2461.38,7701.84
NewNet265: FL4_2.1 L4_2.2 | length 64.2
  Bottom Layer w10: L4_2.2@2460.47,6761.42 v1(2460.47,6825.61)
NewNet266: BR_6_13.1 L4_2.1 | length 70.3
  Bottom Layer w10: BR_6_13.1@2461.38,6647.24 L4_2.1@2461.38,6717.59
NewNet267: FL5_2.1 L5_2.2 | length 64.2
  Bottom Layer w10: L5_2.2@2460.47,5777.17 v1(2460.47,5841.36)
NewNet268: BR_6_14.1 L5_2.1 | length 70.3
  Bottom Layer w10: BR_6_14.1@2461.38,5662.99 L5_2.1@2461.38,5733.34
NewNet269: FL6_2.1 L6_2.2 | length 64.2
  Bottom Layer w10: L6_2.2@2460.47,4792.92 v1(2460.47,4857.11)
NewNet270: BR_6_15.1 L6_2.1 | length 70.3
  Bottom Layer w10: BR_6_15.1@2461.38,4678.74 L6_2.1@2461.38,4749.09
NewNet271: FL7_2.1 L7_2.2 | length 64.2
  Bottom Layer w10: L7_2.2@2460.47,3808.66 v1(2460.47,3872.86)
NewNet272: BR_6_16.1 L7_2.1 | length 70.3
  Bottom Layer w10: BR_6_16.1@2461.38,3694.49 L7_2.1@2461.38,3764.83
NewNet273: FL8_2.1 L8_2.2 | length 64.2
  Bottom Layer w10: L8_2.2@2460.47,2824.41 v1(2460.47,2888.61)
NewNet274: BR_6_17.1 L8_2.1 | length 70.3
  Bottom Layer w10: BR_6_17.1@2461.38,2710.24 L8_2.1@2461.38,2780.58
NewNet275: FL9_2.1 L9_2.2 | length 64.2
  Bottom Layer w10: L9_2.2@2460.47,1840.16 v1(2460.47,1904.35)
NewNet276: BR_6_18.1 L9_2.1 | length 70.3
  Bottom Layer w10: BR_6_18.1@2461.38,1725.98 L9_2.1@2461.38,1796.33
NewNet277: FL10_2.1 L10_2.2 | length 64.2
  Bottom Layer w10: L10_2.2@2460.47,855.91 v1(2460.47,920.1)
NewNet278: BR_6_19.1 L10_2.1 | length 70.3
  Bottom Layer w10: BR_6_19.1@2461.38,741.73 L10_2.1@2461.38,812.08
NewNet279: FL1_2.1 L1_2.2 | length 64.2
  Bottom Layer w10: L1_2.2@2460.47,9714.18 v1(2460.47,9778.37)
NewNet280: BR_6_10.1 L1_2.1 | length 70.3
  Bottom Layer w10: BR_6_10.1@2461.38,9600 L1_2.1@2461.38,9670.35
NewNet281: FL2_1.1 L2_1.2 | length 64.2
  Bottom Layer w10: L2_1.2@1476.22,8729.92 v1(1476.22,8794.12)
NewNet282: BR_7_11.1 L2_1.1 | length 70.3
  Bottom Layer w10: BR_7_11.1@1477.13,8615.75 L2_1.1@1477.13,8686.09
NewNet283: FL3_1.1 L3_1.2 | length 64.2
  Bottom Layer w10: L3_1.2@1476.22,7745.67 v1(1476.22,7809.87)
NewNet284: BR_7_12.1 L3_1.1 | length 70.3
  Bottom Layer w10: BR_7_12.1@1477.13,7631.5 L3_1.1@1477.13,7701.84
NewNet285: FL4_1.1 L4_1.2 | length 64.2
  Bottom Layer w10: L4_1.2@1476.22,6761.42 v1(1476.22,6825.61)
NewNet286: BR_7_13.1 L4_1.1 | length 70.3
  Bottom Layer w10: BR_7_13.1@1477.13,6647.24 L4_1.1@1477.13,6717.59
NewNet287: FL5_1.1 L5_1.2 | length 64.2
  Bottom Layer w10: L5_1.2@1476.22,5777.17 v1(1476.22,5841.36)
NewNet288: BR_7_14.1 L5_1.1 | length 70.3
  Bottom Layer w10: BR_7_14.1@1477.13,5662.99 L5_1.1@1477.13,5733.34
NewNet289: FL6_1.1 L6_1.2 | length 64.2
  Bottom Layer w10: L6_1.2@1476.22,4792.92 v1(1476.22,4857.11)
NewNet290: BR_7_15.1 L6_1.1 | length 70.3
  Bottom Layer w10: BR_7_15.1@1477.13,4678.74 L6_1.1@1477.13,4749.09
NewNet291: FL7_1.1 L7_1.2 | length 64.2
  Bottom Layer w10: L7_1.2@1476.22,3808.66 v1(1476.22,3872.86)
NewNet292: BR_7_16.1 L7_1.1 | length 70.3
  Bottom Layer w10: BR_7_16.1@1477.13,3694.49 L7_1.1@1477.13,3764.83
NewNet293: FL8_1.1 L8_1.2 | length 64.2
  Bottom Layer w10: L8_1.2@1476.22,2824.41 v1(1476.22,2888.61)
NewNet294: BR_7_17.1 L8_1.1 | length 70.3
  Bottom Layer w10: BR_7_17.1@1477.13,2710.24 L8_1.1@1477.13,2780.58
NewNet295: FL9_1.1 L9_1.2 | length 64.2
  Bottom Layer w10: L9_1.2@1476.22,1840.16 v1(1476.22,1904.35)
NewNet296: BR_7_18.1 L9_1.1 | length 70.3
  Bottom Layer w10: BR_7_18.1@1477.13,1725.98 L9_1.1@1477.13,1796.33
NewNet297: FL10_1.1 L10_1.2 | length 64.2
  Bottom Layer w10: L10_1.2@1476.22,855.91 v1(1476.22,920.1)
NewNet298: BR_7_19.1 L10_1.1 | length 70.3
  Bottom Layer w10: BR_7_19.1@1477.13,741.73 L10_1.1@1477.13,812.08
NewNet299: FL1_1.1 L1_1.2 | length 64.2
  Bottom Layer w10: L1_1.2@1476.22,9714.18 v1(1476.22,9778.37)
NewNet300: BR_7_10.1 L1_1.1 | length 70.3
  Bottom Layer w10: BR_7_10.1@1477.13,9600 L1_1.1@1477.13,9670.35
NewNet301: FL1.1 L1.2 | length 64.2
  Bottom Layer w10: L1.2@491.97,9714.18 v1(491.97,9778.37)
NewNet302: BR_18.1 L1.1 | length 70.3
  Bottom Layer w10: BR_18.1@492.88,9600 L1.1@492.88,9670.35